# Altium PCB Slave.PcbDoc (part 8 of 10) (continued)
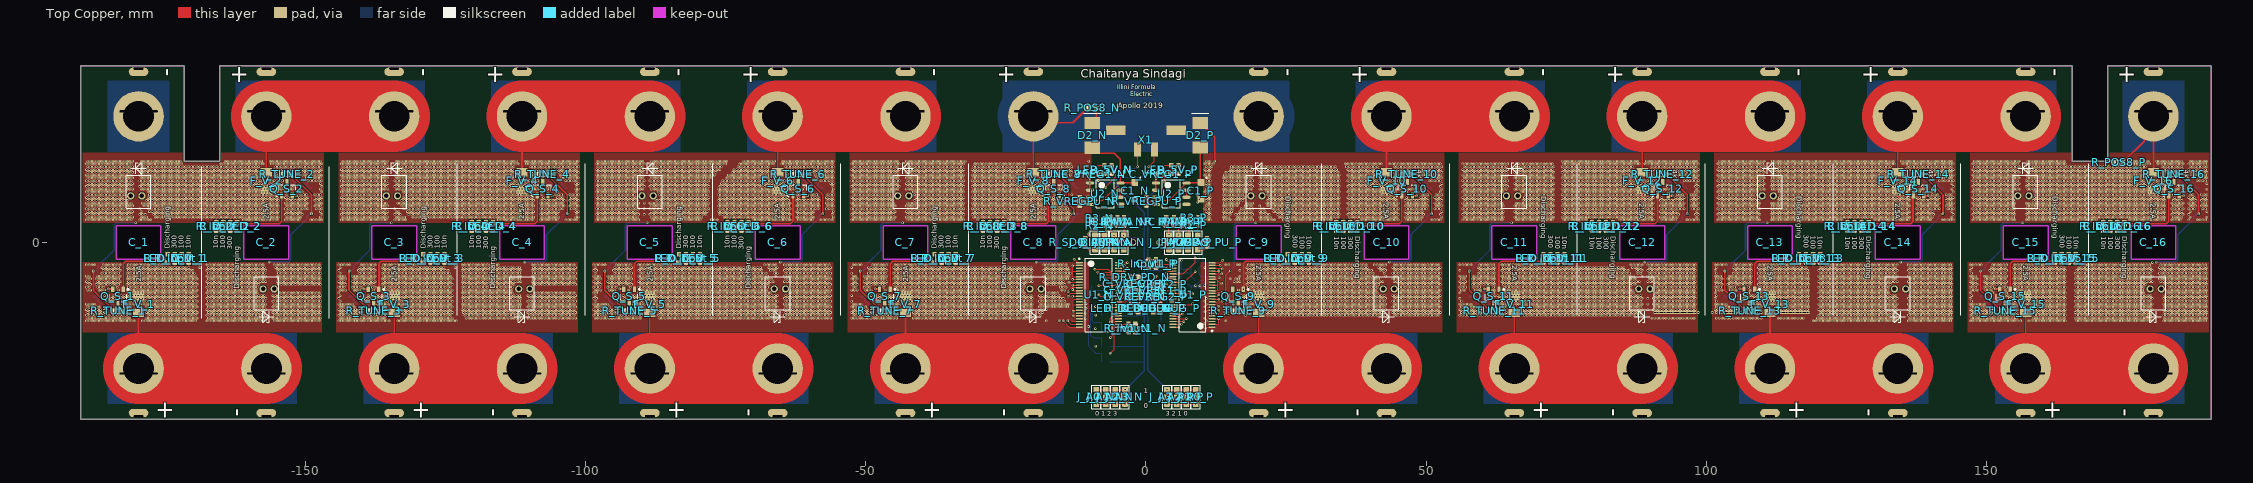
[diagram p0: Top Copper view]
## Nets (pads, with @x,y where several pads share a name; then routed paths per layer and width w, separated by ;. In a path a pad name is that pad's centre, name@x,y a point inside that pad or via, vN(x,y) a via of type N, cw(c..) or ccw(c..) an arc to the next point about the centre after c; other vN are vias at no path point) (continued)
GPIO1_N: R_Temp1_N.2 U1_N.27 | length 6.7
  Top Copper w0.102: v2(-6.4,-19.75) -5.7,-19.05 -5.7,-14.175 -5.625,-14.1 U1_N.27@-4.9,-14.1
GPIO1_P: R_Temp1_P.2 U1_P.27 | length 3
  Top Copper w0.102: v2(3.6,-4.6) U1_P.27@4.8,-4.6
  Bottom Copper w0.102: v2(3.6,-4.6) 3.665,-4.535 3.665,-4.335 4.401,-3.599 4.401,-3.574 4.725,-3.25 R_Temp1_P.2@4.75,-3.25
GPIO2_N: R_Temp2_N.2 U1_N.28 | length 4.4
  Top Copper w0.102: v2(-6.35,-16.975) -5.975,-16.6 -5.975,-13.975 -5.6,-13.6 U1_N.28@-4.9,-13.6
GPIO2_P: R_Temp2_P.2 U1_P.28 | length 3.2
  Top Copper w0.102: v2(3.6,-5.5) 4,-5.1 U1_P.28@4.8,-5.1
  Bottom Copper w0.102: v2(3.6,-5.5) 4.1,-6 R_Temp2_P.2@4.75,-6 ; R_Temp2_P.2@4.701,-6.199 5.025,-5.875 R_Temp2_P.2@5.05,-5.875
GPIO3_N: R_Temp3_N.2 U1_N.29 | length 2.3
  Top Copper w0.102: v2(-6.375,-14.25) -6.375,-13.575 -5.9,-13.1 U1_N.29@-4.9,-13.1
GPIO3_P: R_Temp3_P.2 U1_P.29 | length 6.1
  Top Copper w0.102: U1_P.29@4.8,-5.6 6.65,-5.6 8.75,-3.5 v2(8.75,-2.75)
  Bottom Copper w0.102: v2(8.75,-2.75) R_Temp3_P.2@8.75,-2.25
GPIO4_N: R_Temp4_N.2 U1_N.32 | length 1.5
  Top Copper w0.102: v2(-6.4,-11.5) -6.306,-11.5 -6.206,-11.6 U1_N.32@-4.9,-11.6
GPIO4_P: R_Temp4_P.2 U1_P.32 | length 4.7
  Top Copper w0.102: U1_P.32@4.8,-7.1 6.85,-7.1 v2(8.75,-5.2)
IBIAS_N: J_IBIAS_N.2 R2_N.2
IBIAS_P: J_IBIAS_P.2 R2_P.2 | length 1.8
  Top Copper w0.102: J_IBIAS_P.2@9.2,1.3 9.25,1.35 R2_P.2@9.25,3.1
ICMP_N: J_ICMP_N.2 R2_N.1 R3_N.2
ICMP_P: J_ICMP_P.2 R2_P.1 R3_P.2 | length 3.2
  Top Copper w0.102: J_ICMP_P.2@7.5,1.3 7.75,1.55 R3_P.2@7.75,4.4
IMA_ISO: X1.P$1 X_IPMA_N.3 X_IPMA_P.3 | length 16
  Top Copper w0.102: v2(-1.504,13.5) -1.504,15.188 -1.523,15.207 -1.523,16.547 X1.P$1@-1.5,16.57
  Signal Layer 1 w0.102: v2(-1.504,13.5) -0.196,14.808 6.398,14.808 v2(8.206,13)
  Bottom Copper w0.102: X_IPMA_N.3@-3.142,13.257 -1.747,13.257 v2(-1.504,13.5) ; X_IPMA_N.3@-3.142,13.508 -3.122,13.528 X_IPMA_N.3@-3.122,13.548 ; v2(8.206,13) 8.261,13.055 X_IPMA_P.3@8.261,13.1 ; X_IPMA_P.3@8.24,13.55 X_IPMA_P.3@8.29,13.55
IMA_N: J_IMA_N.2 R_IMA_N.2 X_IPMA_N.4 | length 5.7
  Top Copper w0.102: J_IMA_N.2@-4,1.3 -3.9,1.4 R_IMA_N.2@-3.9,2.95
  Bottom Copper w0.102: v2(-3.982,1.258) -3.142,2.098 X_IPMA_N.4@-3.142,4.908
IMA_P: J_IMA_P.2 R_IMA_P.2 X_IPMA_P.4 | length 6.7
  Top Copper w0.102: v2(5.8,1.3) 5.8,2.35 6.051,2.601 6.076,2.601 6.4,2.925 R_IMA_P.2@6.4,2.95
  Bottom Copper w0.102: v2(5.8,1.3) 5.8,2.51 7.767,4.477 7.911,4.477 8.24,4.806 X_IPMA_P.4@8.24,4.95
IPA_ISO: X1.P$2 X_IPMA_N.1 X_IPMA_P.1 | length 18.3
  Top Copper w0.102: v2(0.5,13.5) 1.5,14.5 X1.P$2@1.5,16.57 1.503,16.567 1.503,15.207
  Bottom Copper w0.102: X_IPMA_N.1@-8.222,13.3 -8.222,13.156 -7.892,12.827 -7.749,12.827 -6.523,11.601 -0.839,11.601 0.5,12.94 v2(0.5,13.5) 0.534,13.5 0.734,13.3 X_IPMA_P.1@3.181,13.3 ; X_IPMA_N.1@-8.222,13.508 X_IPMA_N.1@-8.222,13.558
IPA_N: J_IPA_N.2 R_IPA_N.2 X_IPMA_N.6 | length 6.6
  Top Copper w0.102: R_IPA_N.2@-6.3,2.95 -6.3,1.9 J_IPA_N.2@-5.7,1.3
  Bottom Copper w0.102: X_IPMA_N.6@-8.222,4.908 -8.222,3.798 v2(-5.682,1.258)
IPA_P: J_IPA_P.2 R_IPA_P.2 X_IPMA_P.6 | length 5.9
  Top Copper w0.102: R_IPA_P.2@3.6,2.95 3.6,2.925 3.924,2.601 3.949,2.601 4.1,2.45 v2(4.1,1.38) J_IPA_P.2@4.1,1.3
  Bottom Copper w0.102: X_IPMA_P.6@3.16,4.95 3.16,4.806 3.489,4.477 3.633,4.477 4.1,4.01 v2(4.1,1.38)
NEG1_C1: C1_N.2 C_1.- C_1.T- C_2.T- C_3.T- C_4.T- C_5.T- C_6.T- C_7.T- C_8.T- C_IPMA_N.1 C_Temp1_N.1 C_Temp2_N.1 C_Temp3_N.1 C_Temp4_N.1 C_V1_N.1 C_V_1.1 C_V_2.1 C_V_3.1 C_V_4.1 C_V_5.1 C_V_6.1 C_V_7.1 C_V_8.1 C_VREF1_N.1 C_VREF2_N.1 C_VREG1_N.1 C_VREG2_N.1 J_A0_N.1 J_A1_N.1 J_A2_N.1 J_A3_N.1 J_DTEN_N.1 J_ISOMD_N.1 Q1_N.2 Q2_N.2 Q_D_1.3 R3_N.1 R_5V_N.1 R_DEBUG_PD_N.1 R_DRV_PD_N.1 R_Input1_N.2 R_TUNE_1.1 U1_N.30 U1_N.31 U2_N.4 | length 63.8
  Top Copper w0.102: C_1.-@-179.7,22.5 C_1.-@-178.2,21 ; v2(-8.85,-28.85) v2(-7.15,-28.85) v2(-5.45,-28.85) v2(-3.75,-28.85) ; C_VREG1_N.1@-8.55,12.2 -8.55,11.064 v2(-8.5,11.014) ; v2(-7.15,9.75) -7.15,9.939 -5.372,11.717 -5.372,12.95 -5.822,13.401 -5.847,13.401 -6.172,13.725 R_5V_N.1@-6.172,13.75
  Top Copper w0.305: v2(-187.75,-5.1) -187.75,-8.525 R_TUNE_1.1@-184.075,-12.2
  Signal Layer 1 w0.102: C_1.-@-180.175,22.025 C_1.-@-179.7,22.5
  Signal Layer 1 w0.305: v2(-180.2,3.5) -180.196,3.504 -180.196,8.674 -180.2,8.678 -180.2,22 C_1.-@-180.175,22.025
  Signal Layer 2 w0.254: C_1.-@-179.7,22.5 C_1.-@-179.7,31
  Bottom Copper w0.305: Q_D_1.3@-187.75,-5.05 -187.329,-5.05 -186.882,-4.602 -186.882,-4.182 -184.052,-1.352 -184.052,3.146 -183.698,3.5 v2(-180.2,3.5)
  other v2: -9,-18.5 -3.1,-16.05 -1.9,-16.05 -9.025,-15.374 -9,-12.973 -5.2,-12.3 -4.4,-12.3 -1.2,-6.189 -170.725,-2.1 -125.125,-2.1 -79.525,-2.1 -33.925,-2.1 -165.875,2.1 -120.275,2.1 -74.675,2.1 -29.075,2.1 -5.1,2.95 -9.5,6.751 -1.7,8.065
  other v3: -2.3,0
NEG1_C2: C1_P.2 C_8.+ C_9.- C_9.T- C_10.T- C_11.T- C_12.T- C_13.T- C_14.T- C_15.T- C_16.T- C_IPMA_P.1 C_Temp1_P.1 C_Temp2_P.1 C_Temp3_P.1 C_Temp4_P.1 C_V1_P.1 C_V_9.1 C_V_10.1 C_V_11.1 C_V_12.1 C_V_13.1 C_V_14.1 C_V_15.1 C_V_16.1 C_VREF1_P.1 C_VREF2_P.1 C_VREG1_P.1 C_VREG2_P.1 F_V_8.1 J_A0_P.1 J_A1_P.1 J_A2_P.1 J_A3_P.1 J_DTEN_P.1 J_ISOMD_P.1 Q1_P.2 Q2_P.2 Q_D_9.3 R3_P.1 R_5V_P.1 R_DEBUG_PD_P.1 R_DRV_PD_P.1 R_Input1_P.2 R_POS8_N.2 R_TUNE_9.1 U1_N.1 U1_P.30 U1_P.31 U2_P.4 | length 224.6
  Top Copper w0.102: v2(-12.8,-2.994) -12.391,-3.402 -12.391,-3.531 -12.323,-3.6 U1_N.1@-11.9,-3.6 ; v2(3.35,10.775) C_VREG1_P.1@3.35,12.2 3.375,12.2 3.699,12.524 3.699,12.549 4.15,13 5.026,13 5.427,13.401 5.452,13.401 5.776,13.725 R_5V_P.1@5.776,13.75 ; v2(3.75,-28.85) v2(5.45,-28.85) v2(7.15,-28.85) v2(8.85,-28.85) ; U1_P.31@4.8,-6.6 4.34,-6.6 4.272,-6.531 4.272,-6.48 4.192,-6.4 v2(3.85,-6.4) 4.13,-6.12 4.78,-6.12 U1_P.30@4.8,-6.1
  Top Copper w0.254: C_8.+@-20.1,22.5 -18.91,21.31 -13.04,21.31 R_POS8_N.2@-10.35,24 ; v2(1.15,-9.7) C_VREF1_P.1@1.15,-8.6
  Top Copper w0.305: F_V_8.1@-20.1,12.8 C_8.+@-20.1,22.5 ; v2(15.05,-5.05) 14.221,-5.879 14.221,-11.071 15.35,-12.2 R_TUNE_9.1@15.725,-12.2
  Signal Layer 1 w0.102: C_8.+@-20.1,22.5 -12.8,15.2 -12.8,5.477 -12.744,5.477 -12.523,5.256 -12.523,4.944 -12.744,4.723 -12.8,4.723 v2(-12.8,-2.994) ; C_9.-@19.625,22.025 C_9.-@20.1,22.5
  Signal Layer 1 w0.305: v2(19.6,3.5) 19.604,3.504 19.604,8.674 19.6,8.678 19.6,22 C_9.-@19.625,22.025
  Signal Layer 1 w12.7: C_8.+@-20.1,22.5 C_9.-@20.1,22.5
  Signal Layer 2 w12.7: C_8.+@-20.1,22.5 C_9.-@20.1,22.5
  Bottom Copper w0.305: v2(15.05,-5.05) 15.748,-4.352 15.748,3.146 16.102,3.5 v2(19.6,3.5)
  Bottom Copper w12.7: C_8.+@-20.1,22.5 C_9.-@20.1,22.5
  other v2: 0.9,-7.35 0.9,-3.175 1.81,-3.04 29.075,-2.1 74.675,-2.1 120.275,-2.1 165.875,-2.1 33.925,2.1 79.525,2.1 125.125,2.1 170.725,2.1 5,2.95 9.25,4.4 1.3,6.793 2.159,6.795 9.2,7.204 9.5,7.7 9.25,8.3
  other v3: 2.45,0
NEG2_C1: C_1.+ C_2.- F_V_1.1 Q_D_2.3 R_TUNE_2.1 | length 151.3
  Top Copper w0.305: C_1.+@-179.7,-22.5 F_V_1.1@-179.7,-12.675 ; R_TUNE_2.1@-152.525,12.2 -148.85,8.525 v2(-148.85,5.1)
  Top Copper w12.7: C_1.+@-179.7,-22.5 C_2.-@-156.9,-22.5
  Signal Layer 1 w0.102: C_2.-@-156.9,-22.5 C_2.-@-156.425,-22.025
  Signal Layer 1 w0.305: C_2.-@-156.425,-22.025 -156.4,-22 -156.4,-8.678 -156.404,-8.674 -156.404,-3.504 v2(-156.4,-3.5)
  Signal Layer 1 w12.7: C_1.+@-179.7,-22.5 C_2.-@-156.9,-22.5
  Signal Layer 2 w0.254: C_1.+@-179.7,-31 C_1.+@-179.7,-22.5
  Signal Layer 2 w12.7: C_1.+@-179.7,-22.5 C_2.-@-156.9,-22.5
  Bottom Copper w0.305: v2(-156.4,-3.5) -152.902,-3.5 -152.548,-3.146 -152.548,1.352 -149.718,4.182 -149.718,4.602 -149.271,5.05 Q_D_2.3@-148.85,5.05
  Bottom Copper w12.7: C_1.+@-179.7,-22.5 C_2.-@-156.9,-22.5
NEG2_C2: C_9.+ C_10.- F_V_9.1 Q_D_10.3 R_TUNE_10.1 | length 154.3
  Top Copper w0.102: C_10.-@41.4,-21 C_10.-@42.9,-22.5
  Top Copper w0.305: C_9.+@20.1,-22.5 F_V_9.1@20.1,-12.545 ; R_TUNE_10.1@47.275,12.2 50.95,8.525 v2(50.95,5.1)
  Top Copper w12.7: C_9.+@20.1,-22.5 C_10.-@42.9,-22.5
  Signal Layer 1 w0.102: C_10.-@42.9,-22.5 43.375,-22.025 C_10.-@42.9,-22.5
  Signal Layer 1 w0.305: v2(43.4,-3.5) 43.396,-3.504 43.396,-8.674 43.4,-8.678 C_10.-@43.4,-22 ; C_10.-@43.4,-22 43.375,-22.025 C_10.-@43.4,-22
  Signal Layer 1 w12.7: C_9.+@20.1,-22.5 C_10.-@42.9,-22.5
  Signal Layer 2 w0.254: C_10.-@42.9,-31 C_10.-@42.9,-22.5
  Signal Layer 2 w12.7: C_9.+@20.1,-22.5 C_10.-@42.9,-22.5
  Bottom Copper w0.305: v2(43.4,-3.5) 46.898,-3.5 47.252,-3.146 47.252,1.352 50.082,4.182 50.082,4.602 50.529,5.05 Q_D_10.3@50.95,5.05
  Bottom Copper w12.7: C_9.+@20.1,-22.5 C_10.-@42.9,-22.5
NEG3_C1: C_2.+ C_3.- F_V_2.1 Q_D_3.3 R_TUNE_3.1 | length 154.3
  Top Copper w0.102: C_3.-@-134.1,22.5 C_3.-@-132.6,21
  Top Copper w0.305: F_V_2.1@-156.9,12.545 C_2.+@-156.9,22.5 ; v2(-142.15,-5.1) -142.15,-8.525 R_TUNE_3.1@-138.475,-12.2
  Top Copper w12.7: C_2.+@-156.9,22.5 C_3.-@-134.1,22.5
  Signal Layer 1 w0.102: C_3.-@-134.575,22.025 C_3.-@-134.1,22.5 C_3.-@-133.625,22.975
  Signal Layer 1 w0.305: v2(-134.6,3.5) -134.596,3.504 -134.596,8.674 -134.6,8.678 -134.6,22 C_3.-@-134.575,22.025 ; C_3.-@-133.625,22.975 C_3.-@-133.6,23
  Signal Layer 1 w12.7: C_2.+@-156.9,22.5 C_3.-@-134.1,22.5
  Signal Layer 2 w0.254: C_3.-@-134.1,22.5 C_3.-@-134.1,31
  Signal Layer 2 w12.7: C_2.+@-156.9,22.5 C_3.-@-134.1,22.5
  Bottom Copper w0.305: Q_D_3.3@-142.15,-5.05 -141.729,-5.05 -141.282,-4.602 -141.282,-4.182 -138.452,-1.352 -138.452,3.146 -138.098,3.5 v2(-134.6,3.5)
  Bottom Copper w12.7: C_2.+@-156.9,22.5 C_3.-@-134.1,22.5
NEG3_C2: C_10.+ C_11.- F_V_10.1 Q_D_11.3 R_TUNE_11.1 | length 152.2
  Top Copper w0.305: F_V_10.1@42.9,12.545 C_10.+@42.9,22.5 ; v2(57.65,-5.1) 57.65,-8.525 R_TUNE_11.1@61.325,-12.2
  Top Copper w12.7: C_10.+@42.9,22.5 C_11.-@65.7,22.5
  Signal Layer 1 w0.102: C_11.-@65.225,22.025 C_11.-@65.7,22.5 C_11.-@66.175,22.975
  Signal Layer 1 w0.305: v2(65.2,3.5) 65.204,3.504 65.204,8.674 65.2,8.678 65.2,22 C_11.-@65.225,22.025 ; C_11.-@66.175,22.975 C_11.-@66.2,23
  Signal Layer 1 w12.7: C_10.+@42.9,22.5 C_11.-@65.7,22.5
  Signal Layer 2 w0.254: C_10.+@42.9,22.5 C_10.+@42.9,31
  Signal Layer 2 w12.7: C_10.+@42.9,22.5 C_11.-@65.7,22.5
  Bottom Copper w0.305: Q_D_11.3@57.65,-5.05 58.071,-5.05 58.518,-4.602 58.518,-4.182 61.348,-1.352 61.348,3.146 61.702,3.5 v2(65.2,3.5)
  Bottom Copper w12.7: C_10.+@42.9,22.5 C_11.-@65.7,22.5
NEG4_C1: C_3.+ C_4.- F_V_3.1 Q_D_4.3 R_TUNE_4.1 | length 152.2
  Top Copper w0.305: C_3.+@-134.1,-22.5 F_V_3.1@-134.1,-12.545 ; R_TUNE_4.1@-106.925,12.2 -103.25,8.525 v2(-103.25,5.1)
  Top Copper w12.7: C_3.+@-134.1,-22.5 C_4.-@-111.3,-22.5
  Signal Layer 1 w0.102: C_4.-@-111.3,-22.5 -110.825,-22.025 C_4.-@-111.3,-22.5
  Signal Layer 1 w0.305: v2(-110.8,-3.5) -110.804,-3.504 -110.804,-8.674 -110.8,-8.678 C_4.-@-110.8,-22 ; C_4.-@-110.8,-22 -110.825,-22.025 C_4.-@-110.8,-22
  Signal Layer 1 w12.7: C_3.+@-134.1,-22.5 C_4.-@-111.3,-22.5
  Signal Layer 2 w0.254: C_3.+@-134.1,-31 C_3.+@-134.1,-22.5
  Signal Layer 2 w12.7: C_3.+@-134.1,-22.5 C_4.-@-111.3,-22.5
  Bottom Copper w0.305: v2(-110.8,-3.5) -107.302,-3.5 -106.948,-3.146 -106.948,1.352 -104.118,4.182 -104.118,4.602 -103.671,5.05 Q_D_4.3@-103.25,5.05
  Bottom Copper w12.7: C_3.+@-134.1,-22.5 C_4.-@-111.3,-22.5
NEG4_C2: C_11.+ C_12.- F_V_11.1 Q_D_12.3 R_TUNE_12.1 | length 154.3
  Top Copper w0.102: C_12.-@87,-21 C_12.-@88.5,-22.5
  Top Copper w0.305: C_11.+@65.7,-22.5 F_V_11.1@65.7,-12.545 ; R_TUNE_12.1@92.875,12.2 96.55,8.525 v2(96.55,5.1)
  Top Copper w12.7: C_11.+@65.7,-22.5 C_12.-@88.5,-22.5
  Signal Layer 1 w0.102: C_12.-@88.5,-22.5 88.975,-22.025 C_12.-@88.5,-22.5
  Signal Layer 1 w0.305: v2(89,-3.5) 88.996,-3.504 88.996,-8.674 89,-8.678 C_12.-@89,-22 ; C_12.-@89,-22 88.975,-22.025 C_12.-@89,-22
  Signal Layer 1 w12.7: C_11.+@65.7,-22.5 C_12.-@88.5,-22.5
  Signal Layer 2 w0.254: C_12.-@88.5,-31 C_12.-@88.5,-22.5
  Signal Layer 2 w12.7: C_11.+@65.7,-22.5 C_12.-@88.5,-22.5
  Bottom Copper w0.305: v2(89,-3.5) 92.498,-3.5 92.852,-3.146 92.852,1.352 95.682,4.182 95.682,4.602 96.129,5.05 Q_D_12.3@96.55,5.05
  Bottom Copper w12.7: C_11.+@65.7,-22.5 C_12.-@88.5,-22.5